# Altium PCB EASY-EAI-Nano-TB V1.01.PCBDOC (part 3 of 7) (continued)
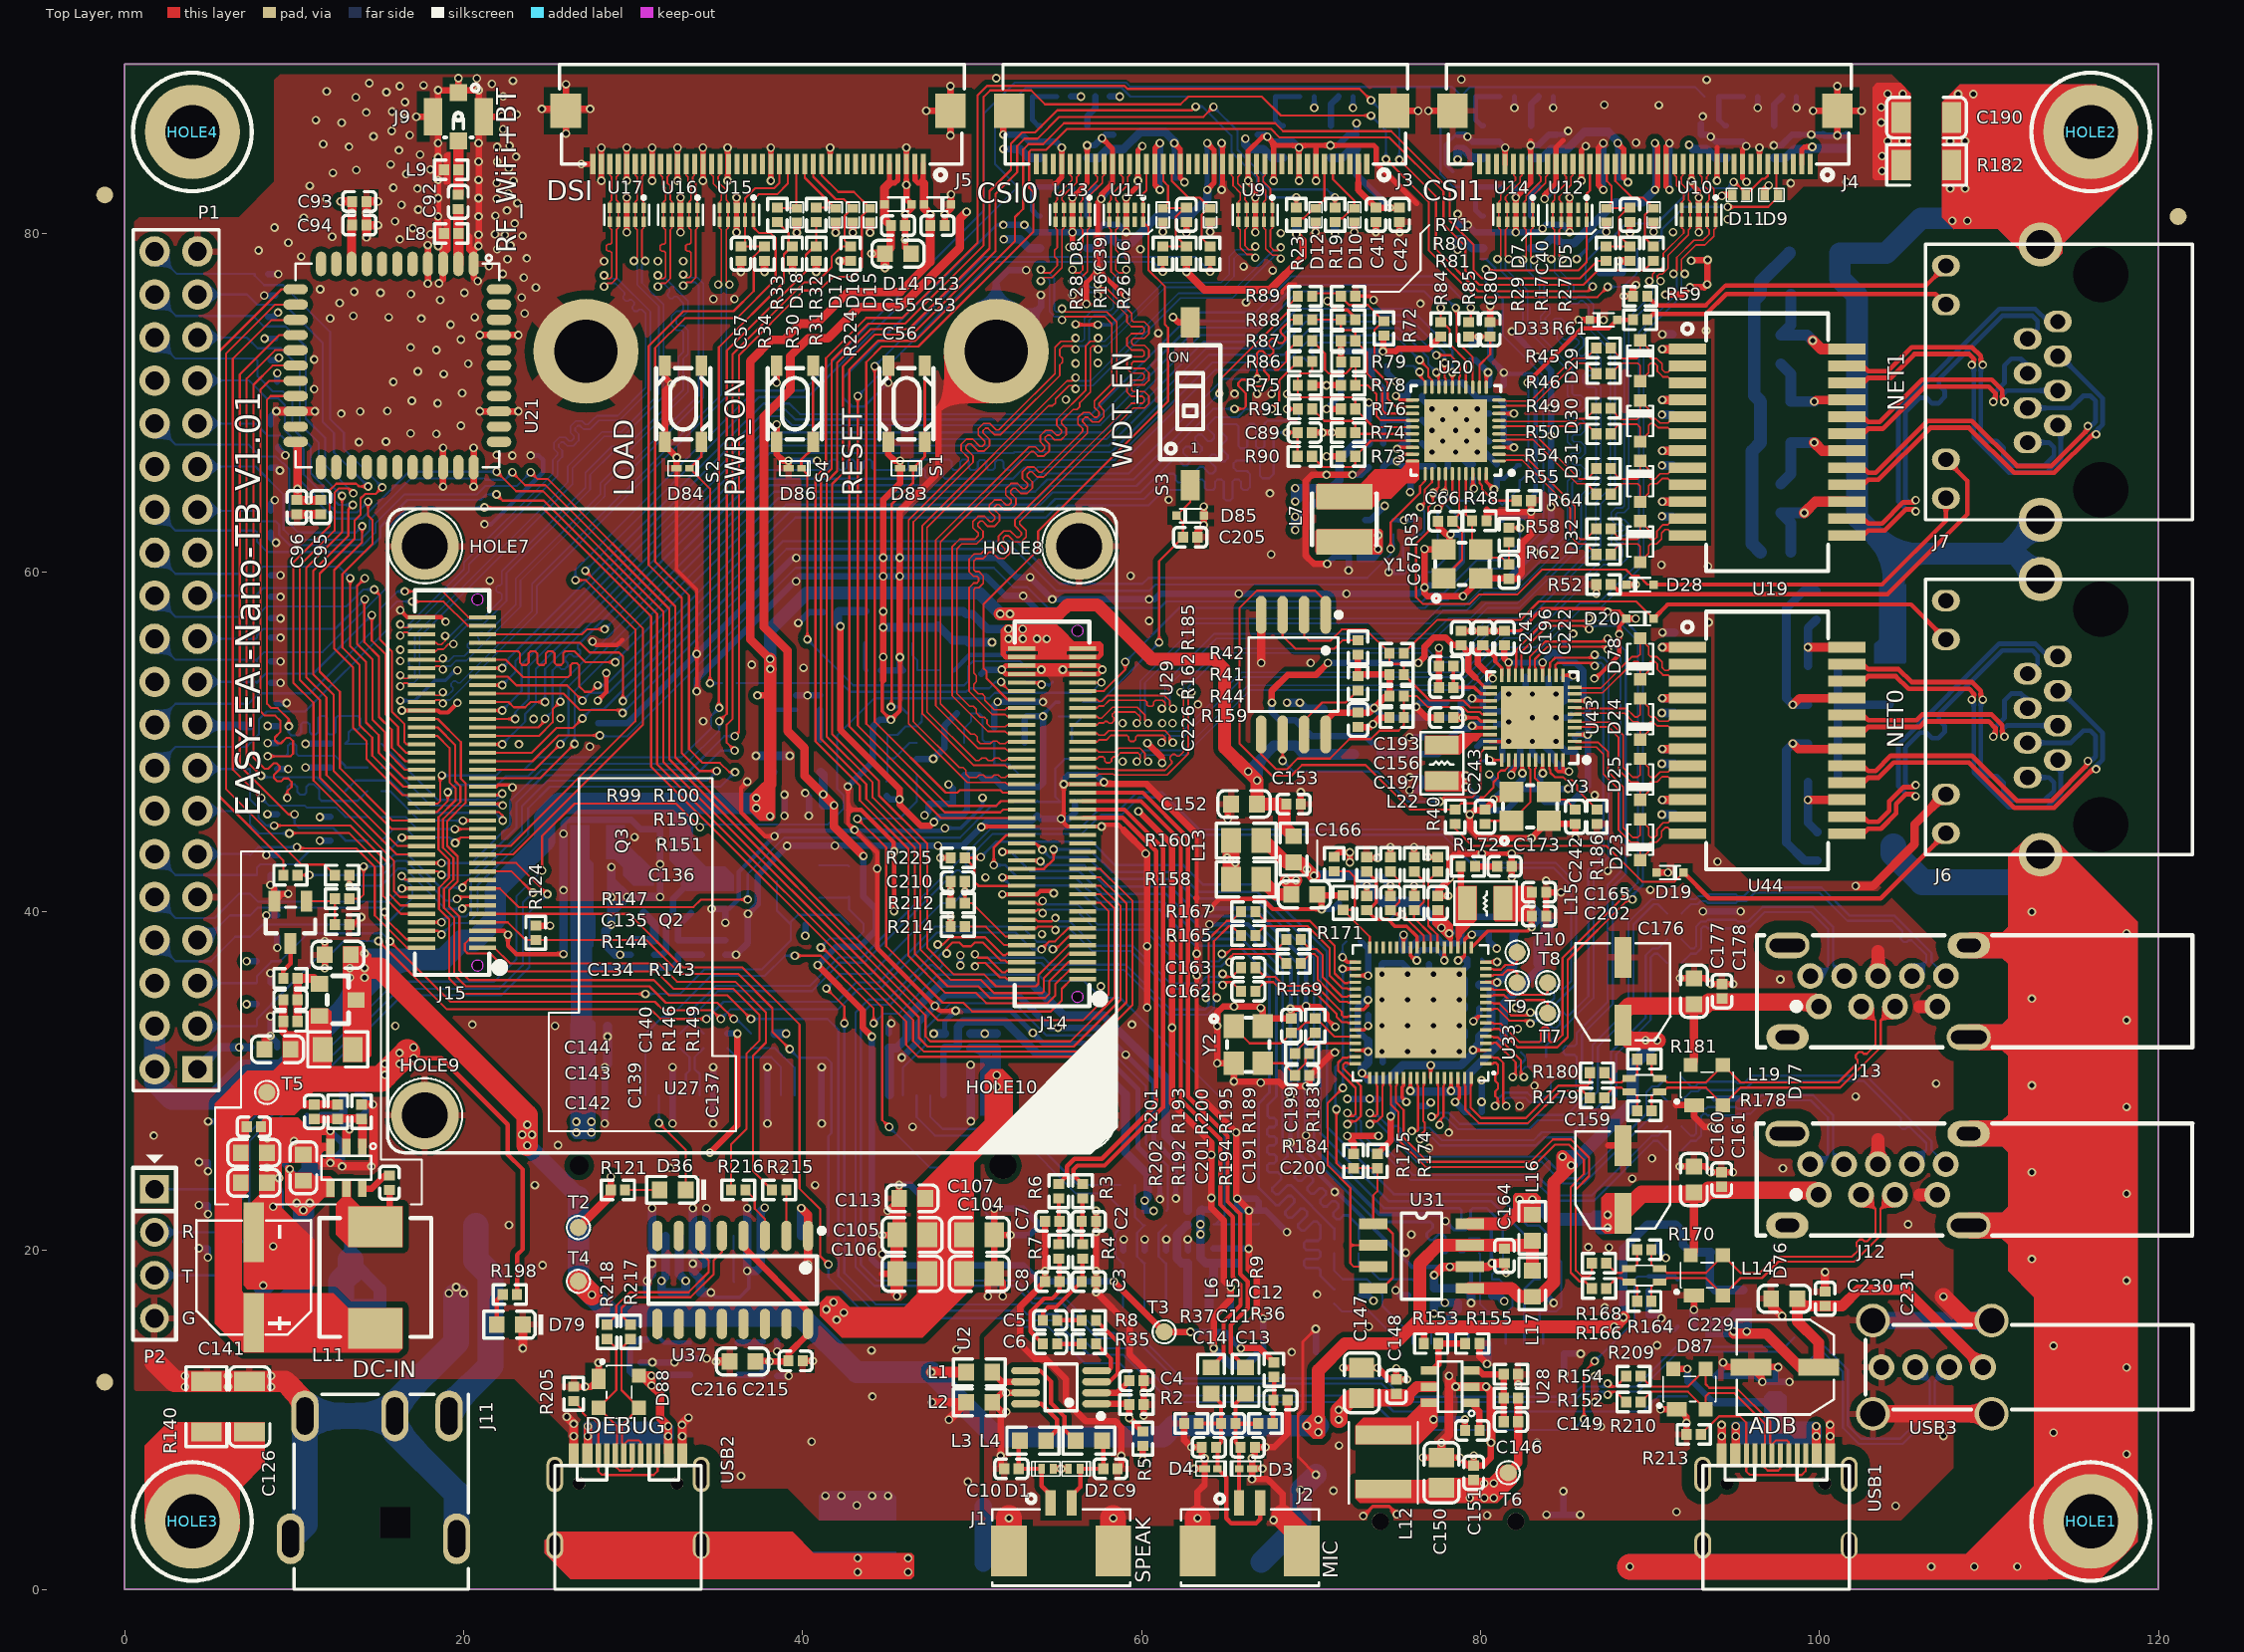
[diagram p0: Top Layer view]
## Nets (pads, with @x,y where several pads share a name; then routed paths per layer and width w, separated by ;. In a path a pad name is that pad's centre, name@x,y a point inside that pad or via, vN(x,y) a via of type N, cw(c..) or ccw(c..) an arc to the next point about the centre after c; other vN are vias at no path point) (continued)
  Top Layer w0.762: 45.576,17.55 C106.1@45.576,18.624 C105.1@45.576,20.91 45.696,21.03 45.696,23.012 C113.1@45.696,23.069 ; J12.7@103.45,25.083 103.45,26.531 ; J13.7@103.459,36.19 103.459,37.638 ; 105.918,23.283 J12.4@106.95,23.283 ; 105.927,34.39 J13.4@106.959,34.39
  Top Layer w1.016: USB3.5@103.15,10.356 USB3.5@110.15,10.356 ; v1(107.315,17.272) 108.73,15.857 USB3.5@110.15,15.857
  Top Layer w1.27: 1.77,13.45 2.953,12.267 R140.1@4.836,12.267 C126.1@7.376,12.267 9.469,12.267 10.645,11.091 J11.2@10.645,10.229
  GND w0.381: J6.10@107.423,46.911 J6.10@107.46,46.911
  GND w0.508: 93.085,58.726 107.075,58.726 J6.12@107.46,58.341
  GND w0.762: USB3.5@103.45,15.857 USB3.5@103.45,16.195 ; J12.7@103.459,25.092 103.459,26.54 ; J13.7@103.459,36.19 103.459,37.638 ; 105.918,23.283 J12.4@106.95,23.283 ; 105.927,34.39 J13.4@106.959,34.39
  GND w1.016: USB3.5@103.15,10.356 USB3.5@110.15,10.356 ; USB3.5@103.15,15.857 103.45,15.857 USB3.5@110.15,15.857
  VCC w0.305: v1(49.317,36.812) v1(49.317,37.422)
  Bottom Layer w0.152: v1(45.061,71.207) 43.654,69.799 42.918,69.799 42.376,70.341 42.376,71.448 51.441,80.512 v1(51.85,80.512) ; 80.035,78.486 80.366,78.486 80.86,77.992 80.86,77.364
  Bottom Layer w0.203: v1(16.268,52.441) 17.106,52.441 18.31,53.645 18.923,53.645 19.507,54.229 v1(19.634,54.229) v1@19.634,54.253 ; v1(34.591,17.508) 34.855,17.244 36.294,17.244 36.84,17.79 36.84,18.676 v1(36.729,18.787) ; v1(48.405,44.915) 49.331,44.915 50.622,46.206 v1(50.622,46.711) ; v1(57.429,74.625) 58.242,74.625 59.096,75.479 v1(59.096,76.373) ; v1(77.937,21.724) 78.427,21.234 79.121,21.234 79.197,21.311 80.518,21.311 80.645,21.184 80.645,19.271 v1(80.674,19.242) ; 78.369,83.65 77.937,84.081 77.937,85.244 78.539,85.846 C33.1@78.654,85.846 ; v1(85.676,78.5) 86.291,79.115 86.291,79.484 86.92,80.113 v1(87.417,80.113)
  Bottom Layer w0.254: v1(21.234,62.856) 21.631,62.856 24.689,65.913 24.689,66.65 24.431,66.908 v1(23.962,66.908) ; C101.1@35.449,40.147 35.656,40.147 36.243,40.734 36.243,42.336 v1(38.347,44.441) 38.669,44.762 48.253,44.762 v1(48.405,44.915) ; v1(64.008,39.243) 66.276,39.243 68.814,36.705 68.814,34.295 v1(68.783,34.265) v1(68.783,29.108) v1(68.783,26.359) 68.783,26.191 75.942,19.032 v1(78.191,19.032) 79.19,19.032 79.446,18.775 79.446,17.422 ; v1(64.033,40.183) 66.602,40.183 69.698,37.087 v1@69.698,34.417 ; v1(69.703,34.417) v1@69.698,34.417 ; v1(77.937,21.724) 77.531,22.131 74.047,22.131 69.703,26.475 v1(69.703,26.784) 69.698,26.789 69.698,29.68 69.677,29.7 69.698,29.72 v1@69.698,34.417 ; v1(81.378,71.803) 81.462,71.719 83.021,71.719 83.304,71.436 83.304,71.037 83.249,70.982 83.249,64.685 82.985,64.421 v1(82.985,63.602)
  Bottom Layer w0.305: C98.1@48.397,32.792 48.397,33.51 v1(49.032,34.145) 52.279,34.145 v1(53.591,32.833) 54.184,32.24 57.054,32.24 v1(58.301,30.993) 59.782,29.511 59.782,26.082 61.087,24.778 v1(61.087,23.013) ; v1(49.317,36.812) v1(49.317,37.422) ; v1(54.092,54.264) 54.629,54.264 C206.1@54.747,54.382 54.865,54.264 v1(55.357,54.264) ; C29.1@55.838,82.754 55.921,82.671 v1(55.921,82.128) ; v1(57.62,82.046) 58.124,82.55 C27.1@58.124,82.754 ; 57.948,32.675 v1(59.071,31.551) 60.722,29.901 60.722,26.472 62.027,25.167 v1(62.027,23.063) ; v1(61.084,82.583) C49.1@61.084,83.262 C50.1@61.084,84.659 ; v1(64.728,82.583) C45.1@64.728,83.262 C46.1@64.728,84.659 ; v1(70.189,87.424) C21.1@70.189,88.088 ; v1(72.475,87.424) C19.1@72.475,88.088 ; C16.1@72.685,85.846 v1(72.685,86.51) ; C30.1@82,82.754 82.083,82.671 v1(82.083,82.128) ; v1(82,87.424) C38.1@82,88.088 ; v1(83.782,82.046) 84.286,82.55 C28.1@84.286,82.754 ; v1(84.286,87.424) C36.1@84.286,88.088 ; C34.1@84.496,85.846 84.957,85.846 v1(85.166,86.055) ; v1(87.246,82.583) C51.1@87.246,83.262 C52.1@87.246,84.659 ; v1(91.144,82.583) C47.1@91.144,83.262 C48.1@91.144,84.659 ; v1(96.351,87.424) C22.1@96.351,88.088 ; v1(98.637,87.424) C20.1@98.637,88.088 ; C18.1@98.847,85.846 v1(99.511,85.846)
  Bottom Layer w0.381: v1(4.386,20.123) D82.1@4.921,20.123 v1(4.921,19.588) ; v1(4.393,22.67) D81.1@4.928,22.67 v1(4.928,22.135) ; v1(4.393,25.21) D89.1@4.928,25.21 v1(4.928,24.675) ; v1(4.931,27.613) 5.594,27.613 7.389,29.408 D46.1@7.63,29.408 D44.1@8.773,29.408 ; v1(8.236,76.347) D73.1@8.883,76.347 ; v1(8.26,73.805) 8.262,73.807 D71.1@8.883,73.807 ; v1(8.363,39.771) D50.1@9.01,39.771 ; v1(8.363,43.327) D53.1@9.01,43.327 ; v1(8.417,26.601) 8.577,26.442 C130.1@9.408,26.442 v1(10.004,26.442) ; v1(8.43,45.74) D55.1@9.01,45.74 ; v1(8.442,49.93) D57.1@9.01,49.93 ; v1(8.442,50.947) D45.1@9.01,50.947 ; D74.2@8.483,75.077 8.786,75.077 v1(9.052,75.344) ; D75.2@8.483,77.617 v1(9.072,77.617) ; v1(8.61,33.8) D48.1@8.61,33.256 v1(8.61,32.667) 9.01,32.267 D47.1@9.01,31.986 ; D49.1@8.61,35.796 v1(8.61,36.359) ; D54.2@8.61,42.146 v1(8.61,41.557) 9.01,41.157 D52.1@9.01,41.041 v1(9.657,41.041) ; D59.1@8.61,53.487 v1(9.199,53.487) ; D61.2@8.61,54.757 v1(9.199,54.757) ; D60.1@8.61,56.154 v1(9.199,56.154) ; D63.2@8.61,57.297 v1(9.199,57.297) ; D62.1@8.61,58.567 v1(9.199,58.567) ; D64.2@8.61,59.837 v1(9.199,59.837) ; D66.2@8.61,62.377 8.61,62.083 v1(8.935,61.758) ; D65.1@8.61,63.647 8.61,64.019 v1(8.865,64.274) ; D67.1@8.61,66.187 8.997,66.187 v1(9.164,66.02) ; D68.1@8.61,68.727 8.61,69.161 v1(8.963,69.514) ; D72.2@8.61,72.537 8.963,72.537 v1(9.103,72.677) ; D58.1@8.966,52.298 v1(9.568,52.298) ; v1(9.01,37.854) D51.1@9.01,38.501 ; D56.1@9.01,48.407 v1(9.657,48.407) ; D70.1@9.01,71.267 v1(9.01,71.767) ; D69.1@9.048,67.419 9.048,67.352 v1(9.487,66.913) ; v1(12.141,25.158) C138.1@12.838,25.855 ; v1(12.141,27.05) 12.838,26.353 C138.1@12.838,26.017 C138.1@12.838,25.855 ; v1(12.838,24.951) C138.1@12.838,25.855 ; C145.1@13.77,27.922 13.975,27.922 v1(14.654,28.601) 13.936,29.319 R148.1@13.77,29.319 ; v1(25.893,44.584) 25.893,45.188 26.121,45.417 ; 27.94,51.105 29.667,51.105 v1(33.761,55.199) 39.43,60.867 v1(39.625,60.867) 44.761,60.867 45.738,60.867 51.477,60.867 52.62,59.724 v1(53.433,59.724) v1(54.737,58.42) v1(60.452,58.42) 60.785,58.42 61.115,58.75 v1(65.734,58.75) v1(72.091,58.75) 76.329,58.75 v1(76.696,59.117) 76.837,59.258 77.506,59.258 78.911,60.663 R60.1@78.911,60.96 78.911,62.236 R70.1@78.896,62.251 78.236,62.251 v1(78.232,62.255) ; v1(28.329,27.491) J10.50@28.329,29.153 v1(28.329,30.814) ; v1(29.238,37.444) C112.1@29.861,37.444 ; C211.1@30.458,13.395 v1(31.145,13.395) C212.1@31.855,13.395 v1(32.45,13.395) 32.66,13.605 U36.2@33.376,13.605 34.332,13.605 v1(34.341,13.614) ; v1(31.594,40.856) v1(31.594,40.856) v1(31.595,42.787) C103.1@31.595,43.457 v1(31.595,44.168) C102.1@31.595,44.854 30.449,44.854 29.893,45.41 27.168,45.41 ; v1(32.329,27.491) J10.40@32.329,29.153 v1(32.329,30.814) ; v1(33.761,52.986) 33.761,53.692 39.842,59.774 v1(44.761,59.774) v1(45.738,59.774) ; v1(34.637,40.147) C101.1@35.449,40.147 v1(35.449,39.335) ; v1(34.729,27.491) J10.34@34.729,29.153 v1(34.729,30.814) ; R132.1@35.449,37.444 v1(36.081,37.444) 36.78,38.144 v1(36.78,39.858) 37.349,40.426 37.349,42.124 v1(39.091,43.866) 39.103,43.878 v1(41.916,43.878) v1(47.993,43.878) 49.441,43.878 v1(50.546,44.983) 50.902,45.339 53.511,45.339 R138.1@53.848,45.676 54.058,45.466 v1(55.245,45.466) 55.708,45.466 56.061,45.819 C125.1@56.061,46.464 ; v1(37.929,27.491) J10.26@37.929,29.153 v1(37.929,30.814) ; C213.1@38.503,12.589 v1(39.187,12.589) ; v1(38.503,14.039) C214.1@38.503,14.621 ; v1(38.935,45.64) C131.1@38.935,46.266 v1(38.935,46.892) ; v1(39.168,66.602) v1(40.861,66.602) ; R142.1@39.624,52.749 v1(40.294,52.749) C133.1@41.021,52.749 ; v1(39.751,57.023) 40.386,57.658 C59.1@41.231,57.658 ; v1(40.157,46.99) 40.371,46.777 C132.1@40.371,46.266 v1(40.371,45.64) ; v1(41.129,27.491) J10.18@41.129,29.153 v1(41.129,30.814) ; v1(42.672,47.371) 44.152,48.851 C203.1@44.152,49.022 C123.2@44.152,50.419 44.152,50.917 44.543,51.308 v1(45.212,51.308) ; v1(44.696,19.767) 45.167,19.767 45.529,20.129 J10.15@45.529,20.853 ; v1(44.696,20.91) 45.472,20.91 J10.15@45.529,20.853 ; v1(44.761,55.012) 44.761,54.369 C62.1@44.621,54.229 C61.1@45.93,54.229 45.744,54.415 v1(45.744,55.005) ; v1(45.027,22.342) 45.529,21.839 J10.15@45.529,20.853 ; C97.1@45.095,32.792 45.095,33.259 v1(45.237,33.401) ; v1@45.699,23.859 46.364,23.859 47.929,22.294 J10.9@47.929,20.853 ; v1@45.738,59.765 50.827,59.765 51.97,58.622 v1(53.011,58.622) 54.29,57.343 ; v1(45.857,31.376) 46.828,32.348 46.828,33.435 v1(47.815,34.422) 48.47,35.077 52.686,35.077 54.623,33.14 v1(55.075,33.14) 57.483,33.14 57.948,32.675 ; v1(46.059,79.646) 46.059,80.29 C54.1@45.976,80.373 46.059,80.456 v1(46.059,81.128) ; U24.2@46.743,49.006 v1(47.715,49.006) 48.387,49.678 48.387,50.971 C122.1@49.105,51.689 ; v1(47.201,45.673) 47.425,45.897 C120.1@47.425,46.337 C121.2@48.861,46.337 48.861,47.253 v1(48.616,47.498) ; C204.1@50.546,54.019 50.791,54.264 v1(51.757,54.264) ; R139.1@51.308,50.844 51.308,52.172 v1(51.511,52.375) 51.523,52.363 C124.1@53.212,52.363 v1(54.182,52.363) ; v1(51.318,22.461) 53.021,22.461 J10.54@53.979,21.503 53.387,20.91 v1(52.269,20.91) ; v1(51.85,80.512) C23.1@52.492,80.512 v1(53.092,80.512) 53.517,80.087 U5.2@54.013,80.087 54.022,80.078 v1(55.921,80.078) 57.277,80.078 57.711,80.512 C24.1@58.334,80.512 58.662,80.512 v1(59.096,80.078) ; v1(51.85,85.846) C31.1@52.492,85.846 52.946,85.846 53.371,85.421 U7.2@54.013,85.421 54.95,85.421 v1(55.291,85.08) ; v1(53.198,77.846) 52.141,77.846 51.429,77.134 HOLE6.1@51.429,73.053 54.061,75.685 v1(54.061,76.373) ; v1(55.408,47.51) 55.408,47.788 55.674,48.054 U25.3@55.893,48.054 57.356,48.054 v1(57.785,47.625) ; C37.1@55.838,88.088 v1(56.43,88.088) ; v1(56.791,85.207) 57.231,85.207 57.87,85.846 C32.1@58.334,85.846 ; C35.1@58.124,88.088 v1(58.716,88.088) ; D40.2@58.92,20.005 58.92,20.617 v1(58.953,20.65) ; D39.2@60.19,20.005 v1(60.19,20.65) ; C50.1@61.084,84.659 v1(61.084,85.338) ; D38.2@61.46,20.005 v1(61.46,20.65) ; D37.2@62.73,20.005 v1(62.73,20.65) ; C100.1@64.254,20.1 C99.1@65.651,20.1 v1(66.326,20.1) ; C46.1@64.728,84.659 v1(64.728,85.338) ; U23.C5@65.259,16.623 v1(65.259,17.825) ; C15.1@66.843,85.846 67.297,85.846 v1(67.423,85.719) 67.722,85.421 U3.2@68.364,85.421 68.95,85.421 v1(69.291,85.08) ; U23.7@67.109,14.155 67.183,14.229 v1(67.183,15.977) ; v1(68.58,21.082) 67.32,22.342 D41.2@66.921,22.342 ; v1(70.282,15.367) 70.287,15.362 J8.13@70.287,14 ; v1(70.63,40.137) 71.288,40.137 C154.1@71.638,40.487 ; v1(70.95,60.516) 71.394,60.96 C81.1@72.219,60.96 v1(72.22,60.135) v1(72.22,60.135) ; v1(71.142,85.207) 71.582,85.207 72.221,85.846 C16.1@72.685,85.846 ; v1(72.146,28.938) v1(73.464,28.938) C170.2@74.007,28.938 ; v1(72.444,65.765) 72.959,65.765 C77.1@73.416,66.222 ; C82.1@73.206,63.091 73.504,63.091 v1(74.349,63.936) ; C73.1@73.416,69.016 v1(73.416,70.032) ; C155.2@74.07,42.146 74.07,42.127 v1(74.686,41.511) ; C186.2@74.222,31.097 74.222,31.688 v1(74.178,31.732) 74.178,32.323 C184.2@74.222,32.367 74.222,33.212 v1(74.178,33.256) 74.178,33.847 C168.2@74.222,33.891 74.222,34.736 v1(74.178,34.78) 74.178,35.371 C185.2@74.222,35.415 74.222,36.26 v1(74.178,36.304) 74.178,36.895 C171.2@74.222,36.939 75.404,36.939 C180.2@75.448,36.895 75.702,36.641 v1(75.702,36.304) ; C76.2@74.508,72.191 74.508,71.766 v1(75.014,71.26) ; v1(74.581,60.027) R66.1@75.438,60.027 ; v1(74.99,17.648) 75.3,17.338 D35.2@75.734,17.338 ; v1(75.819,47.142) 76.268,47.142 C225.1@76.751,47.625 76.446,47.93 v1(75.819,47.93) ; v1(75.819,50.292) C239.1@76.7,50.292 ; v1(75.845,64.752) 75.873,64.78 C85.1@75.873,65.416 ; v1(76.2,52.07) 76.454,52.324 C219.1@77.985,52.324 ; C181.2@76.464,28.513 76.851,28.513 v1(77.066,28.727) ; C75.1@76.552,67.619 77.06,67.111 v1(77.143,67.111) ; C74.1@76.552,69.016 77.143,68.425 v1(77.143,68.381) ; C83.1@76.552,70.413 76.552,70.242 v1(77.143,69.651) ; v1(76.696,61.396) 76.708,61.384 C70.1@76.708,60.877 ; C167.2@76.972,36.895 76.972,36.558 v1(77.226,36.304) ; v1(77.226,31.732) 77.27,31.776 C189.2@77.861,31.776 78.706,31.776 v1(78.75,31.732) 78.985,31.967 78.985,32.519 C188.2@79.087,32.621 79.087,32.919 v1(78.75,33.256) 78.75,33.935 C172.2@79.087,34.272 79.087,34.443 v1(78.75,34.78) 79.087,35.117 C187.2@79.087,35.669 79.087,35.967 v1(78.75,36.304) 79.214,36.768 R197.2@79.214,37.193 78.765,37.193 v1(78.683,37.111) ; C84.1@78.076,66.273 78.076,66.647 v1(78.54,67.111) 79.258,66.393 C88.1@79.556,66.393 ; v1(78.097,40.92) 77.698,40.92 C192.1@77.353,41.265 77.485,41.265 v1(78.207,41.986) ; v1(78.654,81.154) C25.1@78.654,80.512 v1(79.254,80.512) 79.679,80.087 U6.2@80.175,80.087 82.074,80.087 v1(82.083,80.078) 83.439,80.078 v1(83.656,80.295) 83.873,80.512 C26.1@84.496,80.512 84.875,80.512 v1@85.258,80.129 ; C33.1@78.654,85.846 79.108,85.846 v1(79.234,85.719) 79.533,85.421 U8.2@80.175,85.421 81.112,85.421 v1(81.453,85.08) ; v1(78.966,58.602) 80.007,59.643 81.614,59.643 v1(83.185,61.214) 84.165,62.194 v1(84.165,63.874) v1(84.165,68.084) v1(84.165,69.729) 84.165,71.91 v1(83.342,72.733) v1(81.849,74.226) ; v1(79.492,38.629) 79.58,38.717 C183.2@80.495,38.717 80.495,38.275 v1(80.953,37.816) ; R43.1@79.807,49.726 80.118,50.038 v1(81.661,50.038) 81.287,49.664 C218.1@81.287,48.895 ; v1(79.81,67.111) 80.235,67.111 C78.1@80.953,66.393 ; v1(79.81,68.381) 80.445,67.746 C87.1@80.528,67.746 ; v1(79.81,69.651) 80.064,69.397 C86.1@80.528,69.397 ; C169.2@80.064,28.176 v1(80.064,28.767) C179.2@80.064,29.446 v1(80.064,30.037) ; v1(80.518,48.089) C244.1@81.363,47.244 81.363,47.2 v1(80.772,46.609) ; v1(80.572,75.747) 80.572,72.609 v1(81.378,71.803) C79.1@81.378,71.048 ; C240.1@80.943,51.054 81.534,51.054 v1(81.661,51.181) ; C217.1@80.994,52.578 81.248,52.832 v1(81.661,52.832) ; R68.1@81.29,63.14 81.29,63.271 82.655,63.271 v1(82.985,63.602) ; C221.1@82.652,53.829 82.652,53.238 v1(83.058,52.832) ; v1(82.953,85.207) 83.393,85.207 84.032,85.846 C34.1@84.496,85.846 ; v1(83.058,50.038) 83.058,49.359 C198.1@83.522,48.895 ; D34.2@83.481,17.338 83.881,17.338 v1@84.322,16.897 ; v1(83.895,4.4) J8.11@84.887,4.4 ; C220.1@84.005,53.797 84.005,53.282 v1(84.455,52.832) ; C224.1@84.372,47.244 v1(85.166,47.244) ; v1(84.455,50.038) 85.058,49.435 C245.1@85.573,49.435 ; v1(84.455,51.435) 85.173,51.435 C246.1@85.351,51.613 ; v1(84.887,5.787) J8.11@84.887,4.4 ; v1(84.937,12.7) J8.10@84.937,13.9 v1(85.909,13.9) ; C223.1@84.959,55.876 v1(85.471,56.388) ; v1(85.878,4.4) J8.11@84.887,4.4 ; C52.1@87.246,84.659 v1(87.246,85.338) ; R126.1@89.916,17.609 R190.1@89.916,16.173 90.507,16.173 v1(90.678,16.002) ; C228.2@90.416,20.32 90.416,20.074 v1(90.932,19.558) ; C48.1@91.144,84.659 v1(91.144,85.338) ; 93.005,86.488 C17.1@93.005,85.846 93.459,85.846 v1(93.585,85.719) 93.884,85.421 U4.2@94.526,85.421 95.463,85.421 95.682,85.202 v1(95.682,85.166) ; v1(93.122,40.005) U32.8@93.801,40.005 U32.3@94.667,40.005 v1(95.346,40.005) ; U30.8@93.801,28.956 U30.3@94.667,28.956 v1(95.6,28.956) ; v1(94.31,13.386) 94.31,13.038 C208.1@93.853,12.581 C207.1@95.631,12.581 96.283,12.581 v1(96.628,12.236) C209.1@97.409,12.236 ; v1(97.304,85.207) 97.744,85.207 98.383,85.846 C18.1@98.847,85.846 ; v1(97.561,13.106) 97.409,12.954 C209.1@97.409,12.236 ; v1(98.229,12.236) C209.1@97.409,12.236 ; v1(99.511,85.846) 100.181,85.846 C44.1@100.213,85.878 100.297,85.794 v1(101.053,85.794) 101.526,85.794 C43.1@101.61,85.878 ; 26.121,45.417 26.128,45.41 27.168,45.41 ; 26.121,45.417 27.161,45.417 27.168,45.41 ; D41.2@66.921,22.342 66.921,22.868 66.728,23.061 v1(65.651,23.061) R133.1@65.651,22.386 66.301,22.386 v1(66.345,22.342) D41.2@66.921,22.342
  Bottom Layer w0.508: v1(25.893,37.485) v1(25.893,41.257) v1(25.893,44.584) ; v1(28.329,30.814) 28.502,30.987 C115.1@28.502,31.884 v1(28.502,32.617) C116.1@28.502,33.256 ; v1(28.726,42.616) C109.1@28.726,41.806 ; v1(29.238,37.444) 28.969,37.444 28.381,38.032 C110.1@28.381,38.504 28.381,38.874 v1(28.726,39.219) C108.1@28.726,40.028 ; C118.1@30.829,17.508 v1(30.829,18.199) 30.829,18.292 31.129,18.592 v1(31.129,19.215) J10.43@31.129,20.853 v1(31.129,22.49) ; v1(31.594,40.856) U22.2@30.623,40.856 v1(29.652,40.856) ; v1(33.529,22.49) J10.37@33.529,20.853 v1(33.529,19.215) ; v1(34.329,22.49) J10.35@34.329,20.853 34.329,19.366 34.179,19.215 v1(33.529,19.215) ; v1(34.591,17.508) C119.1@33.965,17.508 33.965,18.326 33.529,18.761 v1(33.529,19.215) ; v1(36.729,22.49) J10.29@36.729,20.853 v1(36.729,18.787) 37.281,18.787 37.529,19.035 J10.27@37.529,20.853 37.529,22.285 v1(37.765,22.52) ; v1(37.25,49.187) U26.2@38.253,49.187 v1(39.256,49.187) ; R125.1@38.364,32.792 v1(39.03,32.792) ; J10.21@39.929,20.853 v1(39.929,22.49) ; v1(44.761,56.769) U18.2@46.485,56.769 47.923,56.769 C60.1@48.006,56.852 48.859,55.999 C58.1@49.657,55.999 49.776,55.88 v1(51.181,55.88) ; v1(47.746,32.792) C98.1@48.397,32.792 ; J10.4@49.921,29.319 v1(49.921,30.956) ; C117.1@49.921,32.792 v1(50.759,32.792) C114.1@51.445,32.792 ; v1(49.929,27.617) J10.4@49.929,29.153 ; v1(64.262,14.224) 65.278,13.208 66.162,13.208 U23.7@67.109,14.155 ; v1(77.267,18.542) 77.258,18.533 C91.1@77.258,17.763 C90.1@78.655,17.763 79.105,17.763 79.446,17.422 v1(79.446,16.892) ; v1(80.387,13.3) J8.6@80.387,14.5 ; v1(90.697,45.715) C261.1@91.45,45.715 ; v1(90.697,48.715) C260.1@91.45,48.715 ; v1(90.697,51.715) C259.1@91.45,51.715 ; v1(90.703,63.322) 90.715,63.311 C71.1@91.323,63.311 ; v1(90.703,66.319) 90.712,66.311 C69.1@91.323,66.311 ; v1(90.707,69.321) 90.703,69.317 90.709,69.311 C68.1@91.323,69.311 ; v1(90.731,74.059) C65.1@91.323,74.059 ; v1(90.735,56.463) C258.1@91.45,56.463 ; U34.2@92.583,15.491 92.583,16.487 v1(92.597,16.501) ; C108.1@28.726,40.028 v1(28.726,40.838) C109.1@28.726,41.806 ; C108.1@28.726,40.028 28.824,40.028 v1(29.652,40.856) ; C109.1@28.726,41.806 29.652,40.88 v1(29.652,40.856)
  Bottom Layer w0.762: J12.7@103.45,25.083 103.45,26.531 ; J13.7@103.459,36.19 103.459,37.638 ; 105.918,23.283 J12.4@106.95,23.283 ; 105.927,34.39 J13.4@106.959,34.39
  Bottom Layer w1.016: R1.2@41.875,4.647 C1.2@44.631,4.647 ; U23.9@50.659,1.543 50.659,4.891 ; USB3.5@103.15,15.857 USB3.5@110.15,15.857 ; 107.74,10.356 USB3.5@110.15,10.356
  Bottom Layer w1.27: v1(8.178,17.929) 8.772,18.523 C128.1@8.772,19.032 v1(8.772,20.239) C129.1@8.772,21.445 v1(8.772,22.583) C127.1@8.772,23.357 ; U23.8@67.053,1.593 69.387,3.927 J8.12@69.387,4.4 v1(69.387,5.859) v1(70.287,6.759)
  Bottom Layer w1.524: J11.5@9.795,2.979 10.645,3.829 J11.2@10.645,10.229 J11.3@15.946,10.229 ; 19.569,17.314 D43.2@19.569,15.886 19.569,14.588 15.946,10.965 J11.3@15.946,10.229 ; J11.4@19.596,2.979 19.596,5.663 15.946,9.313 J11.3@15.946,10.229
  other v1: 80.391,4.369 91.567,4.572 43.209,4.947 104.496,4.928 41.349,5.519 42.288,5.519 44.105,5.519 45.044,5.519 71.323,5.817 49.759,6.35 36.373,6.68 71.653,8.484 83.337,8.661 40.538,8.712 32.904,9.037 100.632,9.037 107.315,9.042 87.097,9.601 86.741,11.049 44.12,11.379 3.567,11.943 6.107,11.943 8.645,11.943 3.567,12.591 6.107,12.591 8.645,12.591 86.741,12.573 68.859,13.995 44.069,14.097 49.098,14.148 90.424,14.402 73.406,15.494 87.325,16.637 84.315,16.891 45.576,17.294 70.358,17.399 19.136,17.473 20.003,17.473 19.569,17.834 24.663,19.126 75.59,19.863 87.579,20.168 86.36,20.193 75.921,20.93 22.682,21.488 105.232,21.539 71.399,23.444 24.206,23.851 40.742,23.851 88.951,24.232 38.887,24.714 97.841,24.841 32.182,24.867 90.119,25.425 76.962,26.035 25.578,26.213 1.727,26.772 78.13,26.949 46.492,27.287 82.313,28.513 102.133,29.083 83.185,29.718 106.883,29.845 75.702,31.732 82.194,33.071 15.977,33.241 25.4,33.249 75.702,33.256 77.226,33.256 20.523,33.325 59.436,33.325 82.093,34.315 75.702,34.78 77.226,34.78 57.601,35.582 97.688,35.992 63.256,37.504 54.127,38.659 90.018,41.275 83.874,41.809 50.792,42.01 87.503,42.393 93.984,42.942 60.249,43.409 30.089,44.389 86.741,46.863 58.887,48.852 27.457,49.733 23.272,49.868 58.887,51.106 61.224,51.106 61.834,51.106 34.138,51.232 24.13,51.359 25.723,51.395 83.058,51.435 63.33,52.216 40.056,54.381 37.008,54.559 69.977,54.661 16.268,54.778 16.268,55.441 93.465,57.063 60.452,57.15 39.624,59.487 21.549,59.52 59.356,59.806 93.425,60.366 90.678,60.452 45.738,60.876 67.65,61.069 61.605,64.295 67.574,64.676 22.879,66.905 21.952,66.936 13.828,67.698 15.426,67.724 77.778,67.746 79.175,67.746 18.398,68.181 16.874,68.207 70.666,68.254 71.231,68.263 78.54,68.381 19.846,68.664 77.778,69.016 79.175,69.016 12.786,69.375 13.904,69.502 15.502,69.528 78.54,69.651 18.474,69.985 16.95,70.137 55.536,70.212 65.49,70.551 66.82,70.545 67.675,70.54 68.589,70.54 19.922,70.594 11.186,70.823 15.858,71.255 18.83,71.712 17.306,71.864 20.277,72.322 56.109,72.337 57.429,72.365 11.186,72.575 18.398,73.134 16.874,73.287 19.846,73.744 60.995,74.125 93.31,74.28 19.238,74.633 85.786,74.912 87.259,74.912 12.129,74.992 17.511,74.988 15.58,75.064 20.66,75.064 13.5,75.144 23.607,75.293 76.454,75.87 12.688,75.906 66.167,75.946 18.628,76.08 34.736,76.147 35.982,76.147 23.429,76.233 55.921,76.373 16.901,76.436 15.098,76.512 20.051,76.512 13.551,76.567 11.545,76.719 24.267,76.817 23.556,77.401 22.311,77.63 67.742,77.826 66.025,78.063 21.498,78.087 28.291,78.379 31.466,78.379 32.967,78.379 22.591,78.493 23.734,78.544 10.424,78.646 7.909,79.004 21.981,79.078 59.932,79.078 22.768,79.306 9.662,79.459 16.241,79.662 12.253,79.814 23.48,79.865 22.438,79.916 21.854,79.967 68.216,80.03 91.354,80.087 17.003,80.322 8.847,80.357 23.022,80.602 15.961,80.729 94.59,80.848 10.576,80.932 21.879,81.059 22.565,81.364 17.333,81.414 16.342,81.694 23.175,81.795 11.923,82.049 21.956,82.049 22.641,82.38 17.282,82.659 15.86,82.71 10.926,82.82 98.302,82.972 21.956,82.989 101.579,83.049 22.946,83.116 16.622,83.523 12.298,83.582 103.692,83.691 13.675,83.751 22.667,83.853 15.707,84.081 21.981,84.234 23.099,84.539 103.692,84.58 17.434,84.666 16.19,84.92 13.242,85.123 21.981,85.123 22.718,85.174 11.718,85.276 89.179,85.369 104.023,85.453 104.912,85.453 14.689,85.733 16.825,85.809 15.758,86.063 22.337,86.164 12.81,86.546 103.642,86.562 11.286,86.698 16.52,86.799 22.255,86.935 93.116,86.919 23.144,87.036 14.258,87.155 15.783,87.206 103.642,87.451 90.526,87.579 87.3,87.605 16.545,87.764 13.65,88.044 22.337,88.095 104.023,88.247 104.912,88.247 15.453,88.349 11.923,88.399 16.241,88.704 17.638,88.755 21.676,88.831 14.437,88.882 22.915,89.018 93.345,89.078 78.867,89.103 19.695,89.169 20.787,89.161 51.428,89.169
CLK_32K: J10.17 J15.7 R124.1 | length 35.1
  Top Layer w0.127: J15.7@21.124,39.36 22.617,39.359 23.666,38.31 R124.1@24.257,38.31 30.778,38.31 32.766,36.322 36.195,36.322 38.227,34.29 38.227,32.893 v1(39.243,31.877)
  Bottom Layer w0.127: v1(39.243,31.877) 39.751,31.369 41.402,31.369 41.707,31.064 41.707,26.916 41.529,26.739 J10.17@41.529,20.853
CSI_CAM0_PWREN: J15.23 R10.1 R12.1 R14.1 | length 79.3
  Top Layer w0.127: J15.23@21.124,43.36 22.912,43.359 30.592,51.039 30.592,56.697 v1(27.182,60.107)
  Bottom Layer w0.127: v1(27.182,60.107) 37.433,70.358 40.306,70.358 R12.1@52.702,82.754 51.356,84.1 51.356,86.742 R14.1@52.702,88.088 52.702,88.132 53.189,88.619 58.82,88.619 59.351,88.088 R10.1@67.053,88.088
CSI_CAM1_PWREN: J15.25 R11.1 R13.1 R15.1 | length 112.1
  Top Layer w0.127: J15.25@21.124,43.859 22.765,43.859 30.134,51.229 30.134,56.643 27.228,59.55 v1(26.599,59.55)
  Bottom Layer w0.127: v1(26.599,59.55) 26.599,60.159 37.179,70.739 40.068,70.739 50.708,81.38 50.708,87.107 52.509,88.907 59.098,88.907 59.343,88.663 78.333,88.663 R15.1@78.864,88.132 ; R13.1@78.864,82.754 78.4,82.754 77.638,83.516 77.638,86.862 R15.1@78.864,88.088 R15.1@78.864,88.132 ; R11.1@93.215,88.088 92.65,88.653 79.385,88.653 R15.1@78.864,88.132
DSM_AUD_RN: J14.39 R6.1 | length 28.1
  Top Layer w0.254: R6.1@55.118,23.92 55.607,24.409 55.607,24.958 56.049,25.4 57.658,25.4 60.865,28.607 60.865,43.555 58.895,45.524 56.538,45.524 J14.39@56.524,45.511
DSM_AUD_RP: J14.41 R3.1 | length 28.8
  Top Layer w0.254: R3.1@56.515,23.92 55.988,24.447 55.988,24.773 56.215,25 57.824,25 61.265,28.441 61.265,43.742 58.996,46.01 J14.41@56.524,46.01
DVDD10_UPS: C156.2 C193.2 U43.22 | length 3.6
  Top Layer w0.203: C193.2@78.403,54.483 C156.2@78.403,53.213 79.629,53.213 80.007,52.835 U43.22@80.559,52.835
DVDD12: C165.2 C179.1 C180.1 C181.1 C182.1 C202.2 L15.2 L18.1 U33.17 U33.27 U33.55 U33.61 | length 36.4
  Top Layer w0.203: U33.27@75.464,37.868 v1(75.464,38.625) ; v1(75.864,29.411) U33.55@75.864,30.168 ; v1(78.264,29.411) U33.61@78.264,30.168 ; U33.17@79.464,37.868 80.44,38.844 82.788,38.844 v1(83.024,39.08)
  Top Layer w0.381: v1(83.024,39.08) C202.2@83.024,39.733 v1(83.024,40.355)
  Bottom Layer w0.381: C180.1@75.448,37.745 75.756,37.745 76.45,38.439 77.444,38.439 77.752,38.13 78.693,38.13 78.877,38.314 78.877,39.014 79.53,39.667 82.488,39.667 82.586,39.765 ; C182.1@83.902,39.538 C182.1@83.841,39.538 ; 82.586,39.765 83.024,40.203 v1(83.024,40.355) C182.1@83.841,39.538 ; 82.586,39.765 83.024,39.328 v1(83.024,39.08) 83.482,39.538 C182.1@83.841,39.538
  Bottom Layer w0.508: C180.1@75.448,37.745 75.448,38.609 v1(75.464,38.625) ; v1(75.864,29.411) 75.912,29.363 C181.1@76.464,29.363 78.216,29.363 v1(78.264,29.411) 79.179,29.411 C179.1@79.214,29.446 79.214,30.311 81.361,32.458 81.361,34.534 83.498,36.671 L18.1@83.498,36.921
  Bottom Layer w0.762: L18.1@83.498,36.921 83.498,38.184 83.902,38.588 C182.1@83.902,39.538
EARTH: C1.1 C72.2 C190.2 C262.1 D21.2 D22.2 D26.2 D27.2 HOLE1.1 HOLE2.1 J6.13 J6.14 J7.13 J7.14 J12.10 J13.10 R1.1 R182.2 USB1.17 USB1.18 USB1.19 USB1.20 USB2.17 USB2.18 USB2.19 USB2.20 | length 290.5
  Top Layer w1.524: v1(88.811,1.334) v1(106.591,1.334) 113.334,1.334 HOLE1.1@116,4
  GND w1.524: USB2.19@25.384,2.6 USB2.20@34.024,2.6 35.29,1.334 46.228,1.334 v1(88.811,1.334) v1(106.591,1.334) 113.334,1.334 HOLE1.1@116,4
  VCC w1.524: USB2.20@34.024,2.6 35.29,1.334 113.334,1.334 HOLE1.1@116,4
  Bottom Layer w1.27: D21.2@104.366,58.068 104.366,61.111 ; J6.14@113.04,59.606 111.535,61.111 111.035,61.111 ; J7.13@113.04,63.116 111.035,61.111 ; J7.14@113.04,79.366 111.501,80.905 106.001,80.905 103.944,78.849 C72.2@101.195,78.849 101.195,77.359 102.217,76.337 D26.2@102.217,73.163 D27.2@102.217,64.374 102.217,63.26 104.366,61.111 ; 104.366,61.111 111.035,61.111
  Bottom Layer w1.524: v1(88.811,1.334) 93.112,1.334 101.752,1.334 113.334,1.334 HOLE1.1@116,4 ; D22.2@104.366,43.844 104.373,43.837 104.373,43.421 106.07,41.724 111.408,41.724 J6.13@113.04,43.356
  other v1: 43.253,1.016 46.228,1.016 109.131,1.334 111.671,1.334 43.253,1.836 46.228,1.829 118.12,7.973 113.802,9.243 118.12,13.095 113.802,14.365 118.12,18.218 112.532,19.488 118.12,23.34 112.532,24.61 118.12,28.462 112.532,29.732 118.12,33.585 112.532,34.855 118.12,38.707 112.532,39.977 107.833,80.754 108.722,80.754 107.706,82.659 108.595,82.659 107.706,85.453 108.595,85.453 108.183,88.236 109.072,88.236
EARTH0: C126.2 HOLE3.1 R140.2
EARTH1: HOLE4.1
EECS: R43.2 U43.31 | length 1.5
  Top Layer w0.127: v1(80.518,48.936) U43.31@81.258,48.936
  Bottom Layer w0.127: R43.2@79.807,48.876 80.459,48.876 v1(80.518,48.936)
ETH_CLK_25M_OUT: J15.45 R53.2 | length 70.1
  Top Layer w0.127: J15.45@21.124,48.859 24.061,48.859 25.595,50.394 v1(28.042,50.394) ; R53.2@81.671,62.637 v1(82.328,62.637)
  Bottom Layer w0.127: v1(28.042,50.394) 28.096,50.339 29.664,50.339 39.599,60.274 41.554,60.274 51.279,60.274 52.422,59.131 53.264,59.131 54.483,57.912 61.087,57.912 61.468,58.293 76.581,58.293 77.064,58.776 77.826,58.776 79.781,60.731 81.305,60.731 82.328,61.754 v1(82.328,62.637)
ETH_MCLK_M0: C70.2 J15.61 R57.1 R60.2 | length 64.8
  Top Layer w0.127: J15.61@21.124,52.859 25.903,52.859 26.873,51.89 29.212,51.89 v1(29.388,51.714)
  Bottom Layer w0.127: v1(29.388,51.714) 39.064,61.391 52.503,61.391 54.966,58.928 60.465,58.928 60.821,59.284 75.965,59.284 C70.2@76.708,60.027 77.128,60.027 R60.2@78.061,60.96 77.48,61.541 R57.1@77.48,62.241